# KiCad board NaMi_DevBoard.kicad_pcb
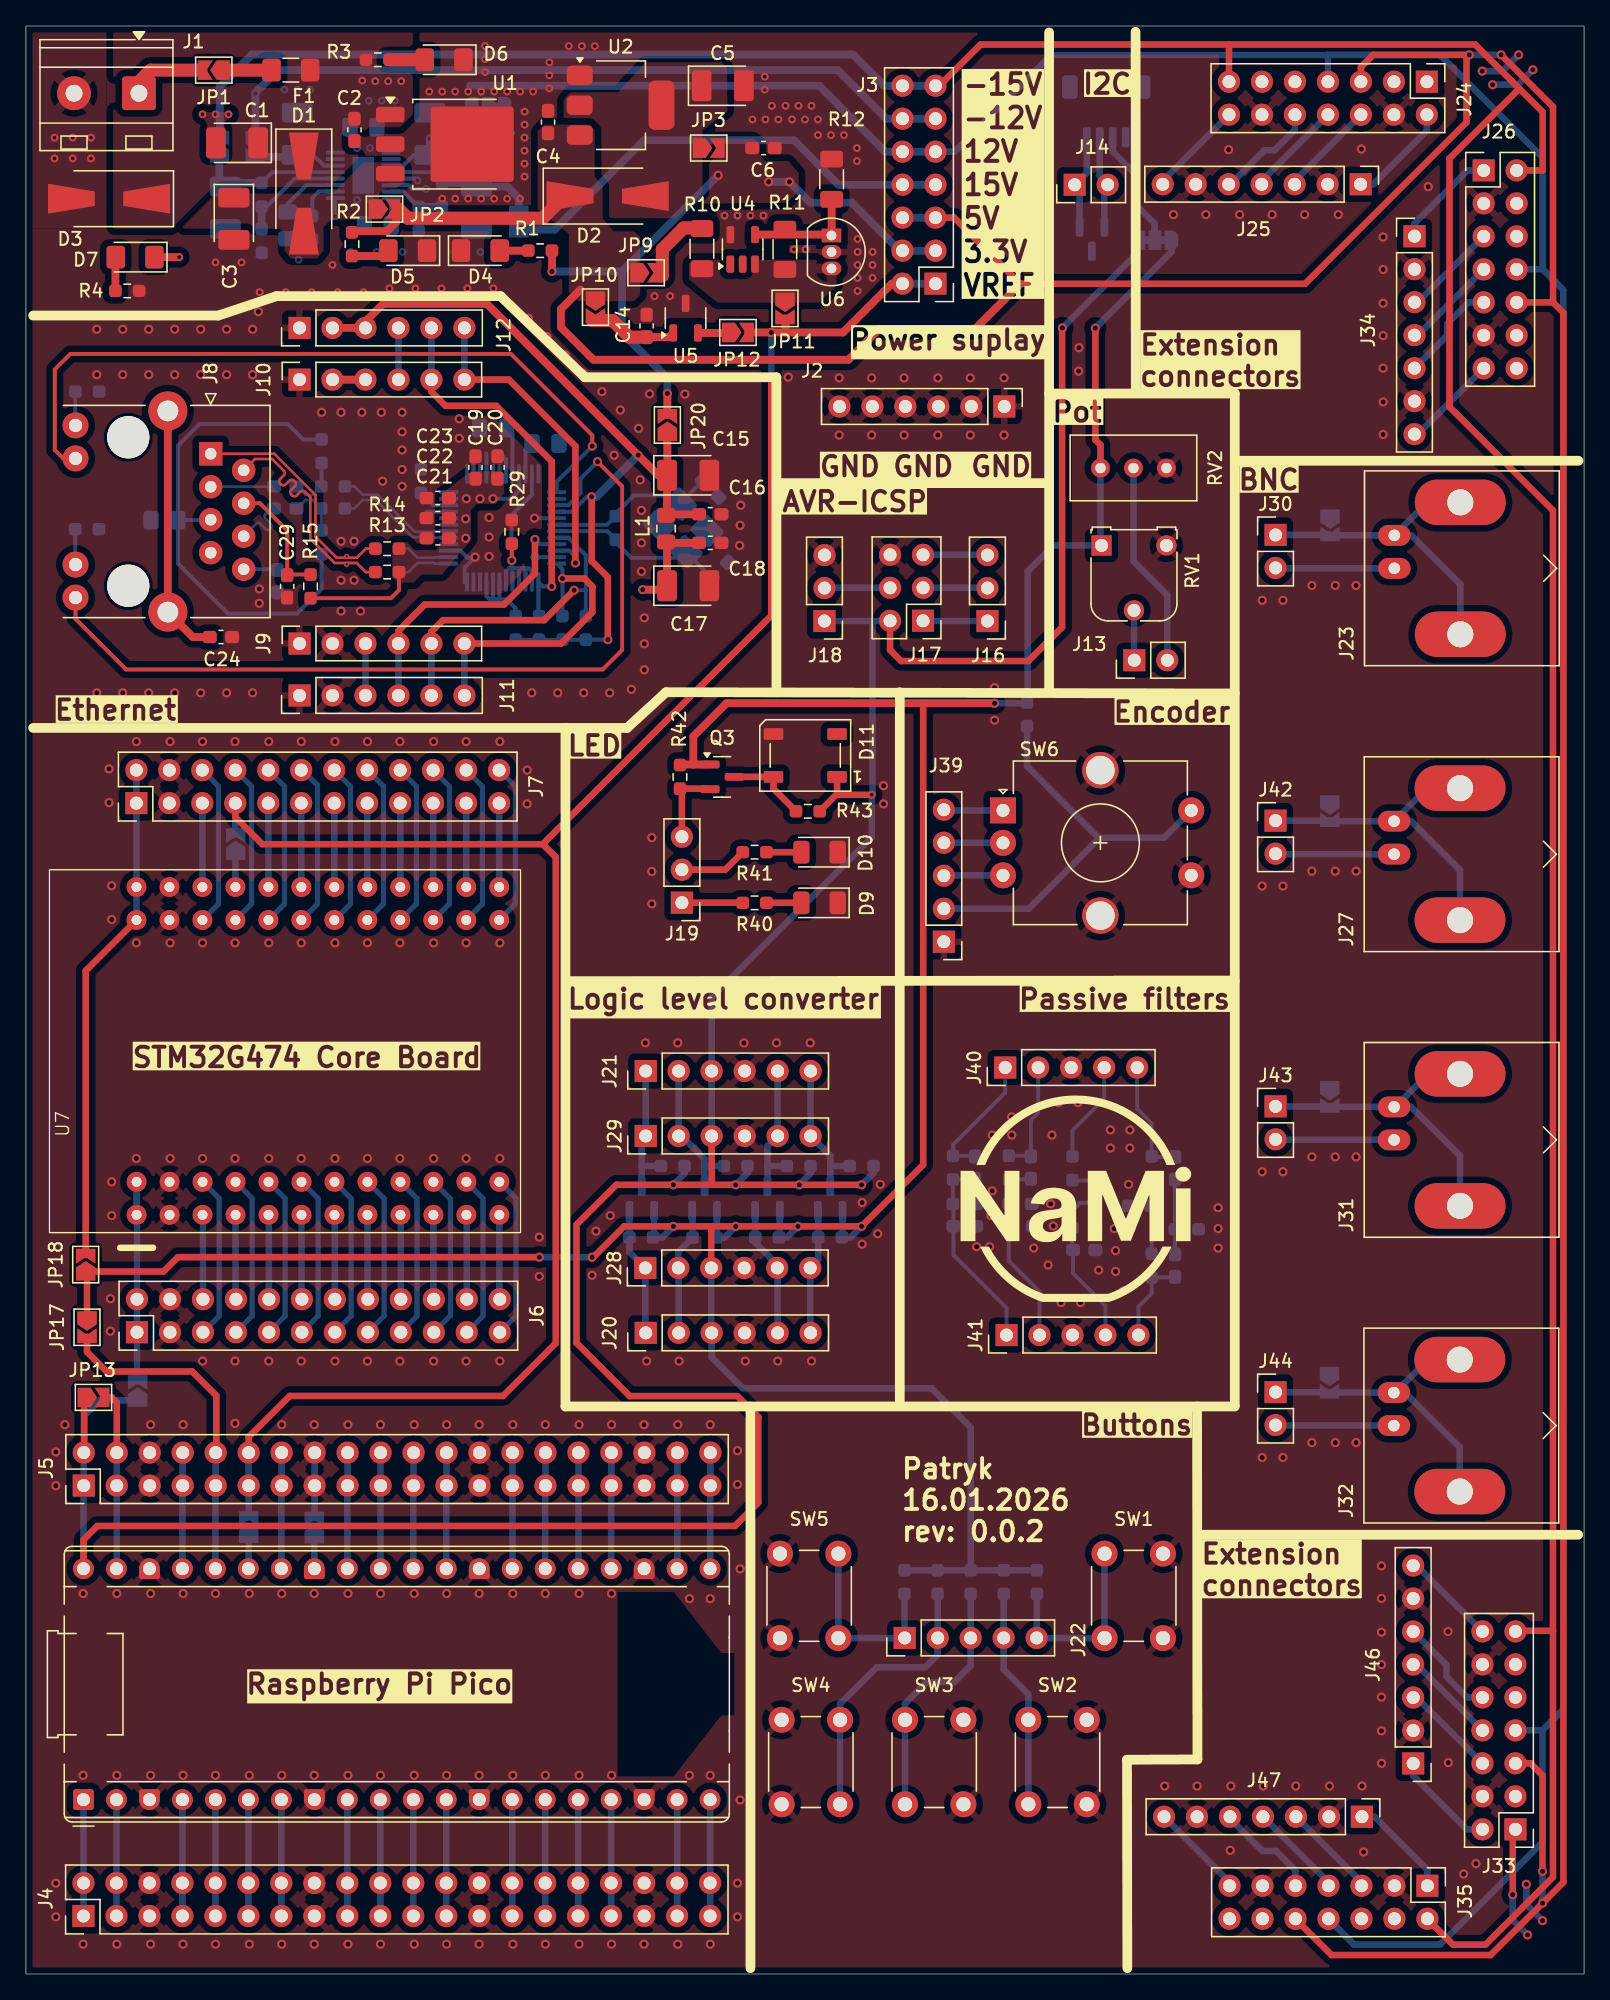
[diagram p0: board, top side]
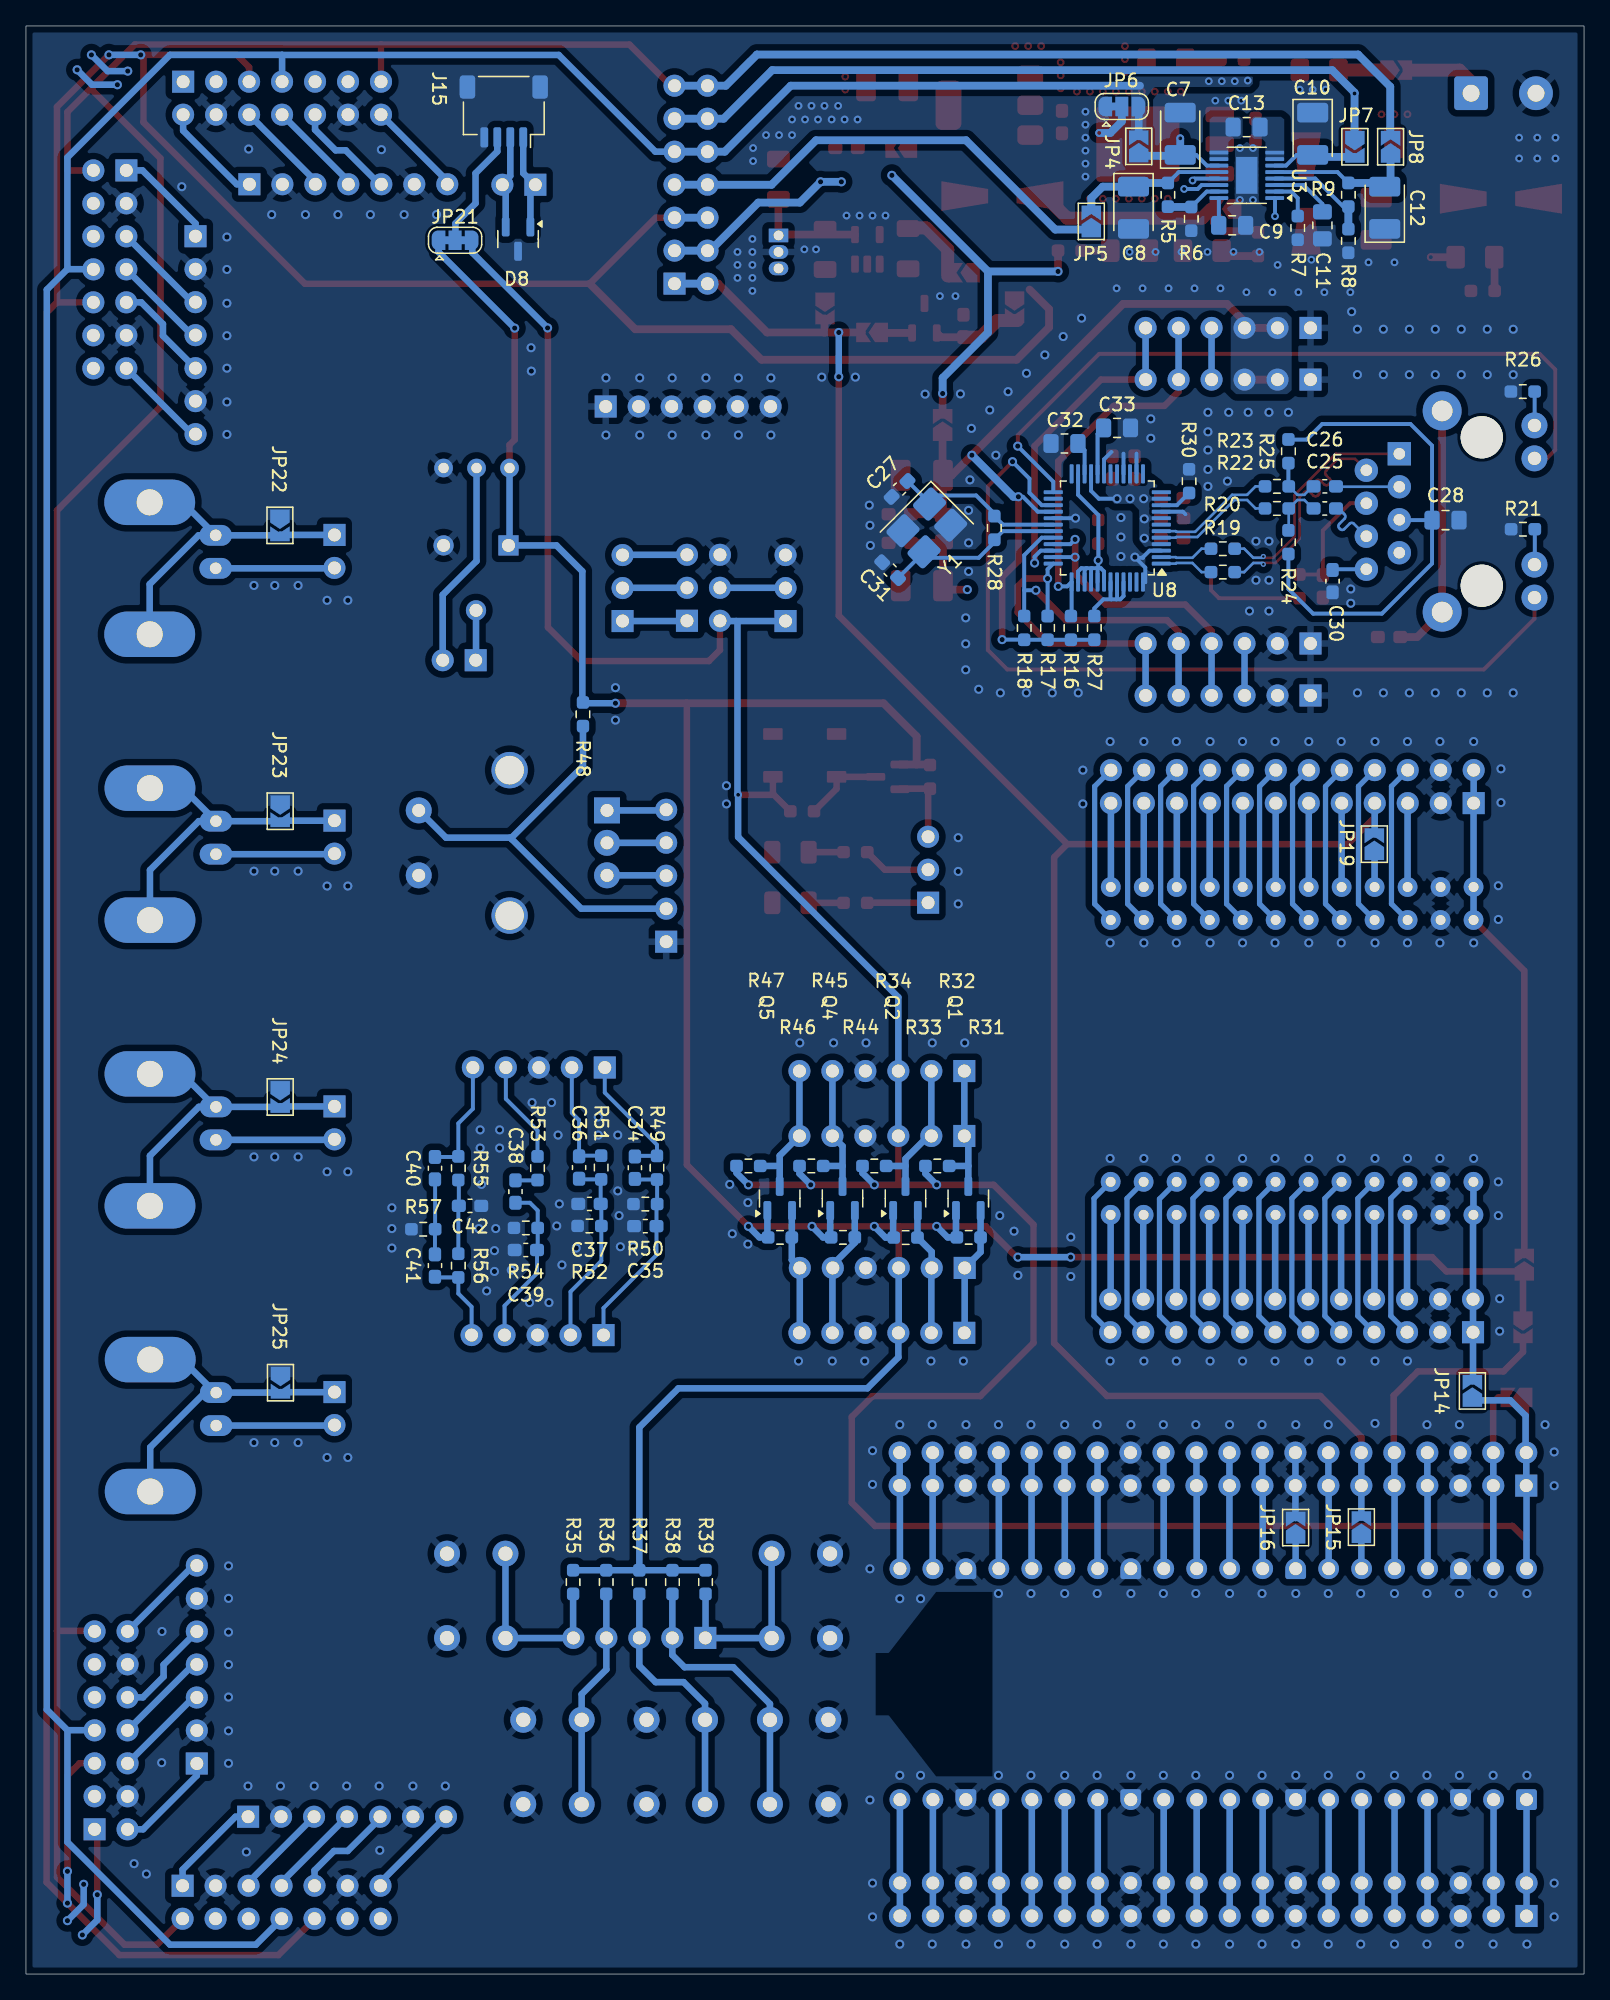
[diagram p1: board, bottom side, seen from below]

Outline 120 x 150 mm; copper layers: Top, In1.Cu, In2.Cu, Bottom. Coordinates in mm from the lower left corner of the outline.
Outline path: rectangle 0,150 120,0
Stack: Top 0.035mm / dielectric 0.1mm FR4 er 4.5 / In1.Cu 0.035mm / dielectric 1.24mm FR4 er 4.5 / In2.Cu 0.035mm / dielectric 0.1mm FR4 er 4.5 / Bottom 0.035mm

## Placement (name value [footprint] x y rotation side)
A1  RaspberryPi_Pico  [RaspberryPi_Pico_Common_THT]  4.43 13.43 90 top
C1  10u/25V  [CP_EIA-3528-21_Kemet-B_HandSolder]  16.26 141 180 top
C2  0u1  [C_0603_1608Metric_Pad1.08x0.95mm_HandSolder]  25.3 142 270 top
C3  10u/25V  [CP_EIA-3528-21_Kemet-B_HandSolder]  16.01 135.16 270 top
C4  0u1  [C_0603_1608Metric_Pad1.08x0.95mm_HandSolder]  40.21 142.6 90 top
C5  10u/25V  [CP_EIA-3528-21_Kemet-B_HandSolder]  53.67 145.4 0 top
C6  0u1  [C_0603_1608Metric_Pad1.08x0.95mm_HandSolder]  56.8 140.6 0 top
C7  10u/25V  [CP_EIA-3528-21_Kemet-B_HandSolder]  31.1 141.7 90 bottom
C8  10u/25V  [CP_EIA-3528-21_Kemet-B_HandSolder]  34.7 136 270 bottom
C9  10n  [C_0805_2012Metric_Pad1.18x1.45mm_HandSolder]  27.1 134.65 180 bottom
C10  10u/25V  [CP_EIA-3528-21_Kemet-B_HandSolder]  20.9 141.7 270 bottom
C11  10n  [C_0805_2012Metric_Pad1.18x1.45mm_HandSolder]  20.15 134.65 90 bottom
C12  10u/25V  [CP_EIA-3528-21_Kemet-B_HandSolder]  15.35 136 90 bottom
C13  1u  [C_0805_2012Metric_Pad1.18x1.45mm_HandSolder]  25.99 142.21 180 bottom
C14  0u1  [C_0603_1608Metric_Pad1.08x0.95mm_HandSolder]  47.8 126.9 90 top
C15  10u/25V  [CP_EIA-3528-21_Kemet-B_HandSolder]  51 115.4 0 top
C16  0u1  [C_0603_1608Metric_Pad1.08x0.95mm_HandSolder]  52.7 112.4 0 top
C17  10u/25V  [CP_EIA-3528-21_Kemet-B_HandSolder]  51 106.9 0 top
C18  0u1  [C_0603_1608Metric_Pad1.08x0.95mm_HandSolder]  52.7 110.2 0 top
C19  0u1  [C_0603_1608Metric_Pad1.08x0.95mm_HandSolder]  34.62 116 90 top
C20  0u1  [C_0603_1608Metric_Pad1.08x0.95mm_HandSolder]  36.32 116 90 top
C21  0u1  [C_0603_1608Metric_Pad1.08x0.95mm_HandSolder]  31.72 110.55 180 top
C22  0u1  [C_0603_1608Metric_Pad1.08x0.95mm_HandSolder]  31.72 112.1 180 top
C23  0u1  [C_0603_1608Metric_Pad1.08x0.95mm_HandSolder]  31.72 113.65 180 top
C24  1n  [C_0603_1608Metric_Pad1.08x0.95mm_HandSolder]  15.02 102.95 180 top
C25  6n8  [C_0603_1608Metric_Pad1.08x0.95mm_HandSolder]  19.97 112.85 180 bottom
C26  6n8  [C_0603_1608Metric_Pad1.08x0.95mm_HandSolder]  19.97 114.55 180 bottom
C27  18p  [C_0603_1608Metric_Pad1.08x0.95mm_HandSolder]  52.72 114.35 315 bottom
C28  10n  [C_0805_2012Metric_Pad1.18x1.45mm_HandSolder]  10.67 111.95 180 bottom
C29  22n  [C_0603_1608Metric_Pad1.08x0.95mm_HandSolder]  20.12 106.85 270 top
C30  1n  [C_0603_1608Metric_Pad1.08x0.95mm_HandSolder]  19.37 107.25 270 bottom
C31  18p  [C_0603_1608Metric_Pad1.08x0.95mm_HandSolder]  53.45 108.1 45 bottom
C32  10n  [C_0805_2012Metric_Pad1.18x1.45mm_HandSolder]  40.02 117.85 0 bottom
C33  10n  [C_0805_2012Metric_Pad1.18x1.45mm_HandSolder]  35.97 119.05 180 bottom
C34  ~  [C_0603_1608Metric_Pad1.08x0.95mm_HandSolder]  73.1 62.09 270 bottom
C35  ~  [C_0603_1608Metric_Pad1.08x0.95mm_HandSolder]  72.3 57.59 180 bottom
C36  ~  [C_0603_1608Metric_Pad1.08x0.95mm_HandSolder]  77.4 62.1 270 bottom
C37  ~  [C_0603_1608Metric_Pad1.08x0.95mm_HandSolder]  76.6 59.3 180 bottom
C38  ~  [C_0603_1608Metric_Pad1.08x0.95mm_HandSolder]  82.3 60.25 270 bottom
C39  ~  [C_0603_1608Metric_Pad1.08x0.95mm_HandSolder]  81.5 55.75 180 bottom
C40  ~  [C_0603_1608Metric_Pad1.08x0.95mm_HandSolder]  88.5 62.05 270 bottom
C41  ~  [C_0603_1608Metric_Pad1.08x0.95mm_HandSolder]  88.5 54.55 270 bottom
C42  ~  [C_0603_1608Metric_Pad1.08x0.95mm_HandSolder]  85.8 59.15 0 bottom
D1  US2DA  [D_SMA-SMB_Universal_Handsoldering]  21.4 137.1 270 top
D2  US2DA  [D_SMA-SMB_Universal_Handsoldering]  44.8 136.9 0 top
D3  US2DA  [D_SMA-SMB_Universal_Handsoldering]  6.4 136.7 180 top
D4  LED  [LED_1206_3216Metric_Pad1.42x1.75mm_HandSolder]  35 132.7 0 top
D5  LED  [LED_1206_3216Metric_Pad1.42x1.75mm_HandSolder]  29.4 132.7 180 top
D6  LED  [LED_1206_3216Metric_Pad1.42x1.75mm_HandSolder]  32.2 147.4 180 top
D7  LED  [LED_1206_3216Metric_Pad1.42x1.75mm_HandSolder]  8.4 132.2 180 top
D8  BZB84-B3V9  [SOT-23]  82.1 133.59 270 bottom
D9  LED  [LED_1206_3216Metric]  61.12 82.48 180 top
D10  LED  [LED_1206_3216Metric]  61.12 86.38 180 top
D11  WS2812B  [LED_WS2812B_PLCC4_5.0x5.0mm_P3.2mm]  60.02 93.83 180 top
F1  750mA  [Fuse_1206_3216Metric_Pad1.42x1.75mm_HandSolder]  20.4 146.6 0 top
J1  DC_12V_IN  [TerminalBlock_MetzConnect_Type094_RT03502HBLU_1x02_P5.00mm_Horizontal]  8.7 144.82 180 top
J2  GND  [PinHeader_1x06_P2.54mm_Vertical]  75.35 120.7 270 top
J3  Conn_02x07  [PinHeader_2x07_P2.54mm_Vertical]  70.05 130.16 180 top
J4  Conn_01x20  [PinHeader_2x20_P2.54mm_Vertical]  4.43 4.47 90 top
J5  Conn_01x20  [PinHeader_2x20_P2.54mm_Vertical]  4.45 37.61 90 top
J6  Conn_02x12_Odd_Even  [PinHeader_2x12_P2.54mm_Vertical]  8.55 49.42 90 top
J7  Conn_02x12_Odd_Even  [PinHeader_2x12_P2.54mm_Vertical]  8.5 90.16 90 top
J8  ARJM11B1-009-AB-EW2  [RJ45_HALO_HFJ11-x2450E-LxxRL_Horizontal]  14.23 117.06 270 top
J9  Conn_01x06  [PinSocket_1x06_P2.54mm_Vertical]  21.07 102.45 90 top
J10  Conn_01x06  [PinSocket_1x06_P2.54mm_Vertical]  21.07 122.77 90 top
J11  Conn_01x06  [PinHeader_1x06_P2.54mm_Vertical]  21.07 98.45 90 top
J12  Conn_01x06  [PinHeader_1x06_P2.54mm_Vertical]  21.07 126.75 90 top
J13  pot  [PinHeader_1x02_P2.54mm_Vertical]  85.36 101.16 90 top
J14  i2c adafruit  [PinHeader_1x02_P2.54mm_Vertical]  80.77 137.77 90 top
J15  SM04B-SRSS-TB  [JST_SH_SM04B-SRSS-TB_1x04-1MP_P1.00mm_Horizontal]  83.2 143.42 0 bottom
J16  Conn_01x03  [PinHeader_1x03_P2.54mm_Vertical]  74.05 104.18 180 top  (not fitted)
J17  AVR-ICSP  [PinHeader_2x03_P2.54mm_Vertical]  69.09 104.2 180 top  (not fitted)
J18  Conn_01x03  [PinHeader_1x03_P2.54mm_Vertical]  61.5 104.18 180 top  (not fitted)
J19  LED  [PinHeader_1x03_P2.54mm_Vertical]  50.52 82.49 180 top
J20  Conn_01x06  [PinHeader_1x06_P2.54mm_Vertical]  47.73 49.37 90 top
J21  Conn_01x06  [PinHeader_1x06_P2.54mm_Vertical]  47.73 69.53 90 top
J22  sw  [PinHeader_1x05_P2.54mm_Vertical]  67.68 25.88 90 top
J23  B6252H5-NPP3G-50  [BNC_Amphenol_B6252HB-NPP3G-50_Horizontal]  105.39 108.24 270 top
J24  Conn_02x07  [PinHeader_2x07_P2.54mm_Vertical]  107.89 145.71 270 top
J25  Conn_01x07  [PinHeader_1x07_P2.54mm_Vertical]  102.79 137.81 270 top
J26  Conn_02x07  [PinHeader_2x07_P2.54mm_Vertical]  112.27 138.88 0 top
J27  B6252H5-NPP3G-50  [BNC_Amphenol_B6252HB-NPP3G-50_Horizontal]  105.37 86.23 270 top
J28  Conn_01x06  [PinHeader_1x06_P2.54mm_Vertical]  47.7 54.37 90 top
J29  Conn_01x06  [PinHeader_1x06_P2.54mm_Vertical]  47.73 64.53 90 top
J30  ~  [PinHeader_1x02_P2.54mm_Vertical]  96.24 110.81 0 top
J31  B6252H5-NPP3G-50  [BNC_Amphenol_B6252HB-NPP3G-50_Horizontal]  105.37 64.23 270 top
J32  B6252H5-NPP3G-50  [BNC_Amphenol_B6252HB-NPP3G-50_Horizontal]  105.35 42.23 270 top
J33  Conn_02x07  [PinHeader_2x07_P2.54mm_Vertical]  114.72 11.14 180 top
J34  Conn_01x07  [PinHeader_1x07_P2.54mm_Vertical]  106.94 133.81 0 top
J35  Conn_02x07  [PinHeader_2x07_P2.54mm_Vertical]  107.94 6.8 270 top
J39  ROT_ENC_SW  [PinHeader_1x05_P2.54mm_Vertical]  70.69 79.49 180 top
J40  sw  [PinHeader_1x05_P2.54mm_Vertical]  75.42 69.8 90 top
J41  sw  [PinHeader_1x05_P2.54mm_Vertical]  75.52 49.2 90 top
J42  ~  [PinHeader_1x02_P2.54mm_Vertical]  96.24 88.81 0 top
J43  ~  [PinHeader_1x02_P2.54mm_Vertical]  96.24 66.81 0 top
J44  ~  [PinHeader_1x02_P2.54mm_Vertical]  96.24 44.81 0 top
J46  Conn_01x07  [PinHeader_1x07_P2.54mm_Vertical]  106.84 16.21 180 top
J47  Conn_01x07  [PinHeader_1x07_P2.54mm_Vertical]  102.89 12.11 270 top
JP1  SolderJumper  [SolderJumper-2_P1.3mm_Open_TrianglePad1.0x1.5mm]  14.47 146.6 180 top
JP2  SolderJumper  [SolderJumper-2_P1.3mm_Open_TrianglePad1.0x1.5mm]  27.61 135.9 0 top
JP3  SolderJumper  [SolderJumper-2_P1.3mm_Open_TrianglePad1.0x1.5mm]  52.58 140.6 0 top
JP4  SolderJumper  [SolderJumper-2_P1.3mm_Open_TrianglePad1.0x1.5mm]  34.3 140.72 90 bottom
JP5  SolderJumper  [SolderJumper-2_P1.3mm_Open_TrianglePad1.0x1.5mm]  37.95 134.95 90 bottom
JP6  SolderJumper  [SolderJumper-3_P1.3mm_Bridged12_RoundedPad1.0x1.5mm]  35.6 143.8 180 bottom
JP7  SolderJumper  [SolderJumper-2_P1.3mm_Open_TrianglePad1.0x1.5mm]  17.65 140.7 270 bottom
JP8  SolderJumper  [SolderJumper-2_P1.3mm_Open_TrianglePad1.0x1.5mm]  14.9 140.7 90 bottom
JP9  SolderJumper  [SolderJumper-2_P1.3mm_Open_TrianglePad1.0x1.5mm]  47.76 131 0 top
JP10  SolderJumper  [SolderJumper-2_P1.3mm_Open_TrianglePad1.0x1.5mm]  43.86 128.35 270 top
JP11  SolderJumper  [SolderJumper-2_P1.3mm_Open_TrianglePad1.0x1.5mm]  58.46 128.25 270 top
JP12  SolderJumper  [SolderJumper-2_P1.3mm_Open_TrianglePad1.0x1.5mm]  54.83 126.4 0 top
JP13  SolderJumper  [SolderJumper-2_P1.3mm_Open_TrianglePad1.0x1.5mm]  5.2 44.4 0 top
JP14  SolderJumper  [SolderJumper-2_P1.3mm_Open_TrianglePad1.0x1.5mm]  8.6 44.9 90 bottom
JP15  SolderJumper  [SolderJumper-2_P1.3mm_Open_TrianglePad1.0x1.5mm]  17.15 34.41 90 bottom
JP16  SolderJumper  [SolderJumper-2_P1.3mm_Open_TrianglePad1.0x1.5mm]  22.21 34.38 90 bottom
JP17  SolderJumper  [SolderJumper-2_P1.3mm_Open_TrianglePad1.0x1.5mm]  4.7 49.8 270 top
JP18  SolderJumper  [SolderJumper-2_P1.3mm_Open_TrianglePad1.0x1.5mm]  4.6 54.62 90 top
JP19  SolderJumper  [SolderJumper-2_P1.3mm_Open_TrianglePad1.0x1.5mm]  16.15 87 90 bottom
JP20  SolderJumper  [SolderJumper-2_P1.3mm_Open_TrianglePad1.0x1.5mm]  49.4 119.27 90 top
JP21  SolderJumper_3_Bridged12  [SolderJumper-3_P1.3mm_Bridged123_RoundedPad1.0x1.5mm]  86.95 133.5 180 bottom
JP22  SolderJumper  [SolderJumper-2_P1.3mm_Open_TrianglePad1.0x1.5mm]  100.44 111.54 270 bottom
JP23  SolderJumper  [SolderJumper-2_P1.3mm_Open_TrianglePad1.0x1.5mm]  100.42 89.53 270 bottom
JP24  SolderJumper  [SolderJumper-2_P1.3mm_Open_TrianglePad1.0x1.5mm]  100.42 67.53 270 bottom
JP25  SolderJumper  [SolderJumper-2_P1.3mm_Open_TrianglePad1.0x1.5mm]  100.4 45.53 270 bottom
L1  BLM18SG121TN1D  [L_0805_2012Metric_Pad1.15x1.40mm_HandSolder]  49.3 111.3 270 top
Q1  BSS138  [SOT-23]  47.42 59.72 90 bottom
Q2  BSS138  [SOT-23]  52.26 59.72 90 bottom
Q3  BSS138  [SOT-23]  53.62 92.18 0 top
Q4  BSS138  [SOT-23]  57.11 59.72 90 bottom
Q5  BSS138  [SOT-23]  61.95 59.72 90 bottom
R1  1k  [R_0603_1608Metric_Pad0.98x0.95mm_HandSolder]  39.6 132.7 0 top
R2  1k  [R_0603_1608Metric_Pad0.98x0.95mm_HandSolder]  25.11 133.2 90 top
R3  1k  [R_0603_1608Metric_Pad0.98x0.95mm_HandSolder]  27.1 147.4 180 top
R4  1k  [R_0603_1608Metric_Pad0.98x0.95mm_HandSolder]  7.8 129.6 0 top
R5  1M4  [R_0603_1608Metric_Pad0.98x0.95mm_HandSolder]  32.05 137 270 bottom
R6  120k  [R_0603_1608Metric_Pad0.98x0.95mm_HandSolder]  30.25 135.15 270 bottom
R7  0  [R_0603_1608Metric_Pad0.98x0.95mm_HandSolder]  22.05 134.45 270 bottom
R8  1M4  [R_0603_1608Metric_Pad0.98x0.95mm_HandSolder]  18.15 133.45 90 bottom
R9  120k  [R_0603_1608Metric_Pad0.98x0.95mm_HandSolder]  18.15 137 90 bottom
R10  R  [R_1206_3216Metric_Pad1.30x1.75mm_HandSolder]  52.06 132.85 270 top
R11  R1  [R_1206_3216Metric_Pad1.30x1.75mm_HandSolder]  58.45 132.8 90 top
R12  R2  [R_1206_3216Metric_Pad1.30x1.75mm_HandSolder]  62.05 138.2 90 top
R13  49.9  [R_0603_1608Metric_Pad0.98x0.95mm_HandSolder]  27.82 109.75 180 top
R14  49.9  [R_0603_1608Metric_Pad0.98x0.95mm_HandSolder]  27.82 107.95 180 top
R15  49.9  [R_0603_1608Metric_Pad0.98x0.95mm_HandSolder]  21.92 106.85 90 top
R16  10k  [R_0603_1608Metric_Pad0.98x0.95mm_HandSolder]  39.52 103.65 270 bottom
R17  10k  [R_0603_1608Metric_Pad0.98x0.95mm_HandSolder]  41.32 103.65 270 bottom
R18  10k  [R_0603_1608Metric_Pad0.98x0.95mm_HandSolder]  43.12 103.65 270 bottom
R19  10k  [R_0603_1608Metric_Pad0.98x0.95mm_HandSolder]  27.82 107.95 180 bottom
R20  10k  [R_0603_1608Metric_Pad0.98x0.95mm_HandSolder]  27.82 109.75 180 bottom
R21  330  [R_0603_1608Metric_Pad0.98x0.95mm_HandSolder]  4.7 111.25 0 bottom
R22  10k  [R_0603_1608Metric_Pad0.98x0.95mm_HandSolder]  23.65 112.85 180 bottom
R23  10k  [R_0603_1608Metric_Pad0.98x0.95mm_HandSolder]  23.65 114.55 180 bottom
R24  49.9  [R_0603_1608Metric_Pad0.98x0.95mm_HandSolder]  22.77 110.25 270 bottom
R25  49.9  [R_0603_1608Metric_Pad0.98x0.95mm_HandSolder]  22.77 117.25 90 bottom
R26  330  [R_0603_1608Metric_Pad0.98x0.95mm_HandSolder]  4.72 121.85 0 bottom
R27  10k  [R_0603_1608Metric_Pad0.98x0.95mm_HandSolder]  37.72 103.65 90 bottom
R28  1M  [R_0603_1608Metric_Pad0.98x0.95mm_HandSolder]  45.42 111.35 270 bottom
R29  10k  [R_0603_1608Metric_Pad0.98x0.95mm_HandSolder]  37.42 111.05 90 top
R30  12k4 1%  [R_0603_1608Metric_Pad0.98x0.95mm_HandSolder]  30.42 114.95 90 bottom
R31  10k  [R_0603_1608Metric_Pad0.98x0.95mm_HandSolder]  47.39 56.72 0 bottom
R32  10k  [R_0603_1608Metric_Pad0.98x0.95mm_HandSolder]  49.81 62.22 0 bottom
R33  10k  [R_0603_1608Metric_Pad0.98x0.95mm_HandSolder]  52.25 56.71 0 bottom
R34  10k  [R_0603_1608Metric_Pad0.98x0.95mm_HandSolder]  54.66 62.22 0 bottom
R35  10k  [R_0603_1608Metric_Pad0.98x0.95mm_HandSolder]  77.86 30.18 90 bottom
R36  10k  [R_0603_1608Metric_Pad0.98x0.95mm_HandSolder]  75.31 30.18 90 bottom
R37  10k  [R_0603_1608Metric_Pad0.98x0.95mm_HandSolder]  72.76 30.18 90 bottom
R38  10k  [R_0603_1608Metric_Pad0.98x0.95mm_HandSolder]  70.21 30.18 90 bottom
R39  10k  [R_0603_1608Metric_Pad0.98x0.95mm_HandSolder]  67.66 30.18 90 bottom
R40  330  [R_0603_1608Metric_Pad0.98x0.95mm_HandSolder]  56.12 82.48 180 top
R41  330  [R_0603_1608Metric_Pad0.98x0.95mm_HandSolder]  56.12 86.38 180 top
R42  10k  [R_0603_1608Metric_Pad0.98x0.95mm_HandSolder]  50.37 92.18 90 top
R43  10k  [R_0603_1608Metric_Pad0.98x0.95mm_HandSolder]  60.22 89.53 0 top
R44  10k  [R_0603_1608Metric_Pad0.98x0.95mm_HandSolder]  57.08 56.72 0 bottom
R45  10k  [R_0603_1608Metric_Pad0.98x0.95mm_HandSolder]  59.51 62.22 0 bottom
R46  10k  [R_0603_1608Metric_Pad0.98x0.95mm_HandSolder]  61.93 56.72 0 bottom
R47  10k  [R_0603_1608Metric_Pad0.98x0.95mm_HandSolder]  64.36 62.22 0 bottom
R48  10k  [R_0603_1608Metric_Pad0.98x0.95mm_HandSolder]  77.1 97 270 bottom
R49  10k  [R_0603_1608Metric_Pad0.98x0.95mm_HandSolder]  71.4 62.09 270 bottom
R50  10k  [R_0603_1608Metric_Pad0.98x0.95mm_HandSolder]  72.3 59.29 180 bottom
R51  10k  [R_0603_1608Metric_Pad0.98x0.95mm_HandSolder]  75.7 62.1 270 bottom
R52  10k  [R_0603_1608Metric_Pad0.98x0.95mm_HandSolder]  76.6 57.6 180 bottom
R53  10k  [R_0603_1608Metric_Pad0.98x0.95mm_HandSolder]  80.6 62.05 90 bottom
R54  10k  [R_0603_1608Metric_Pad0.98x0.95mm_HandSolder]  81.5 57.45 0 bottom
R55  10k  [R_0603_1608Metric_Pad0.98x0.95mm_HandSolder]  86.7 62.05 90 bottom
R56  10k  [R_0603_1608Metric_Pad0.98x0.95mm_HandSolder]  86.7 54.55 90 bottom
R57  10k  [R_0603_1608Metric_Pad0.98x0.95mm_HandSolder]  89.4 57.35 180 bottom
RV1  10k  [Potentiometer_Runtron_RM-065_Vertical]  82.84 110 0 top
RV2  10k  [Potentiometer_Bourns_3296W_Vertical]  82.76 115.96 180 top
SW1  SW_Push  [SW_PUSH_6mm_H5mm]  87.57 32.37 270 top
SW2  SW_Push  [SW_PUSH_6mm_H5mm]  81.7 19.57 270 top
SW3  SW_Push  [SW_PUSH_6mm_H5mm]  72.2 19.57 270 top
SW4  SW_Push  [SW_PUSH_6mm_H5mm]  62.7 19.57 270 top
SW5  SW_Push  [SW_PUSH_6mm_H5mm]  62.57 32.37 270 top
SW6  RotaryEncoder_Switch  [RotaryEncoder_Alps_EC12E-Switch_Vertical_H20mm_CircularMountingHoles]  75.25 89.6 0 top
U1  MC7805BDTRKG  [TO-252-3_TabPin2]  33.1 140.9 0 top
U2  LD1117AS33TR  [SOT-223-3_TabPin2]  45.8 143.9 0 top
U3  LTC3260xMSE  [MSOP-16-1EP_3x4.039mm_P0.5mm_EP1.651x2.845mm]  25.98 138.5 0 bottom
U4  TL431AIL5T  [SOT-23-5]  55.2 132.8 90 top
U5  REF3033  [SOT-23-3]  50.8 127.5 90 top
U6  TL431  [TO-92_Inline]  62.04 133.87 270 top
U7  -  [STM32G474CoreBoard]  21.22 71.16 90 top
U8  W5500  [LQFP-48_7x7mm_P0.5mm]  36.72 111.35 0 bottom
Y1  ABM8-25.000MHZ-B2Y-T  [Crystal_SMD_3225-4Pin_3.2x2.5mm_HandSoldering]  50.62 111.35 315 bottom

## Library data of the parts
A1 = -: Datasheet: https://datasheets.raspberrypi.com/pico/pico-datasheet.pdf; Description: Versatile and inexpensive microcontroller module powered by RP2040 dual-core Arm Cortex-M0+ processor up to 133 MHz, 264kB SRAM, 2MB QSPI flash; also supports Raspberry Pi Pico 2; ki_fp_filters: RaspberryPi?Pico?Common* RaspberryPi?Pico?SMD*
C1 C3 C5 C7 C8 C10 C12 C15 C17 = -: Description: Polarized capacitor; Field5: TAJB106K025RNJ; ki_fp_filters: CP_*
C2 C4 C6 C9 C11 C13 C14 C16 C18-C23 C25-C29 C31-C42 = -: Description: Unpolarized capacitor; ki_fp_filters: C_*
C24 C30 = -: Description: Unpolarized capacitor; V: 2kV; ki_fp_filters: C_*
D1-D3 = -: Datasheet: https://www.onsemi.com/pub/Collateral/US2AA-D.PDF; Description: 200V, 1.5A, General Purpose Rectifier Diode, SMA(DO-214AC); Sim.Device: D; Sim.Pins: 1=K 2=A; ki_fp_filters: D*SMA*
D4-D7 D9 D10 = -: Description: Light emitting diode; Sim.Pins: 1=K 2=A; ki_fp_filters: LED* LED_SMD:* LED_THT:*
D8 = -: Description: Dual Zener diode, common anode on pin 3; ki_fp_filters: SOT* SC*
D11 = -: Datasheet: https://cdn-shop.adafruit.com/datasheets/WS2812B.pdf; Description: RGB LED with integrated controller; store: https://www.digikey.pl/pl/products/detail/xinglight/XL-3528RGBW-WS2812B/25673158?s=N4IgTCBcDaIOoGUwA4CMYBCIC6BfIA; ki_fp_filters: LED*WS2812*PLCC*5.0x5.0mm*P3.2mm*
F1 = -: Description: Fuse; ki_fp_filters: *Fuse*
J1 = -: Description: Generic screw terminal, single row, 01x02, script generated (kicad-library-utils/schlib/autogen/connector/); ki_fp_filters: TerminalBlock*:*
J2 J9-J12 J20 J21 J28 J29 = -: Description: Generic connector, single row, 01x06, script generated (kicad-library-utils/schlib/autogen/connector/); ki_fp_filters: Connector*:*_1x??_*
J3 J24 J26 J33 J35 = -: Description: Generic connector, double row, 02x07, odd/even pin numbering scheme (row 1 odd numbers, row 2 even numbers), script generated (kicad-library-utils/schlib/autogen/connector/); ki_fp_filters: Connector*:*_2x??_*
J4 J5 = -: Description: Generic connector, double row, 02x20, odd/even pin numbering scheme (row 1 odd numbers, row 2 even numbers), script generated (kicad-library-utils/schlib/autogen/connector/); ki_fp_filters: Connector*:*_2x??_*
J6 J7 = -: Description: Generic connector, double row, 02x12, odd/even pin numbering scheme (row 1 odd numbers, row 2 even numbers), script generated (kicad-library-utils/schlib/autogen/connector/); ki_fp_filters: Connector*:*_2x??_*
J8 = -: Description: RJ connector, 8P8C (8 positions 8 connected), two LEDs, Shielded; store: https://www.digikey.pl/pl/products/detail/abracon-llc/ARJM11B1-009-AB-EW2/7675231?s=N4IgTCBcDaIIICUBSBZAjGgQmgtABjwE4c5McBRAdQgF0BfIA; ki_fp_filters: 8P8C* RJ45*
J13 J14 J30 J42-J44 = -: Description: Generic connector, single row, 01x02, script generated (kicad-library-utils/schlib/autogen/connector/); ki_fp_filters: Connector*:*_1x??_*
J15 = -: Description: Generic connectable mounting pin connector, single row, 01x04, script generated (kicad-library-utils/schlib/autogen/connector/); ki_fp_filters: Connector*:*_1x??-1MP*
J16 J18 J19 = -: Description: Generic connector, single row, 01x03, script generated (kicad-library-utils/schlib/autogen/connector/); ki_fp_filters: Connector*:*_1x??_*
J17 = -: Description: Generic connector, double row, 02x03, odd/even pin numbering scheme (row 1 odd numbers, row 2 even numbers), script generated (kicad-library-utils/schlib/autogen/connector/); ki_fp_filters: Connector*:*_2x??_*
J22 J39-J41 = -: Description: Generic connector, single row, 01x05, script generated (kicad-library-utils/schlib/autogen/connector/); ki_fp_filters: Connector*:*_1x??_*
J23 J27 J31 J32 = -: Description: coaxial connector (BNC, SMA, SMB, SMC, Cinch/RCA, LEMO, ...); store: https://www.tme.eu/pl/details/b6252h5npp3g50/zlacza-bnc/amphenol-rf/b6252h5-npp3g-50/; ki_fp_filters: *BNC* *SMA* *SMB* *SMC* *Cinch* *LEMO* *UMRF* *MCX* *U.FL*
J25 J34 J46 J47 = -: Description: Generic connector, single row, 01x07, script generated (kicad-library-utils/schlib/autogen/connector/); ki_fp_filters: Connector*:*_1x??_*
JP1-JP5 JP7-JP20 JP22-JP25 = -: Description: Solder Jumper, 2-pole, open; ki_fp_filters: SolderJumper*Open*
JP6 JP21 = -: Description: 3-pole Solder Jumper, pins 1+2 closed/bridged; ki_fp_filters: SolderJumper*Bridged12*
L1 = -: Description: Inductor; ki_fp_filters: Choke_* *Coil* Inductor_* L_*
Q1-Q5 = -: Datasheet: https://www.onsemi.com/pub/Collateral/BSS138-D.PDF; Description: 50V Vds, 0.22A Id, N-Channel MOSFET, SOT-23; ki_fp_filters: SOT?23*